# Allegro board arena_12-12_v5.brd (continued)
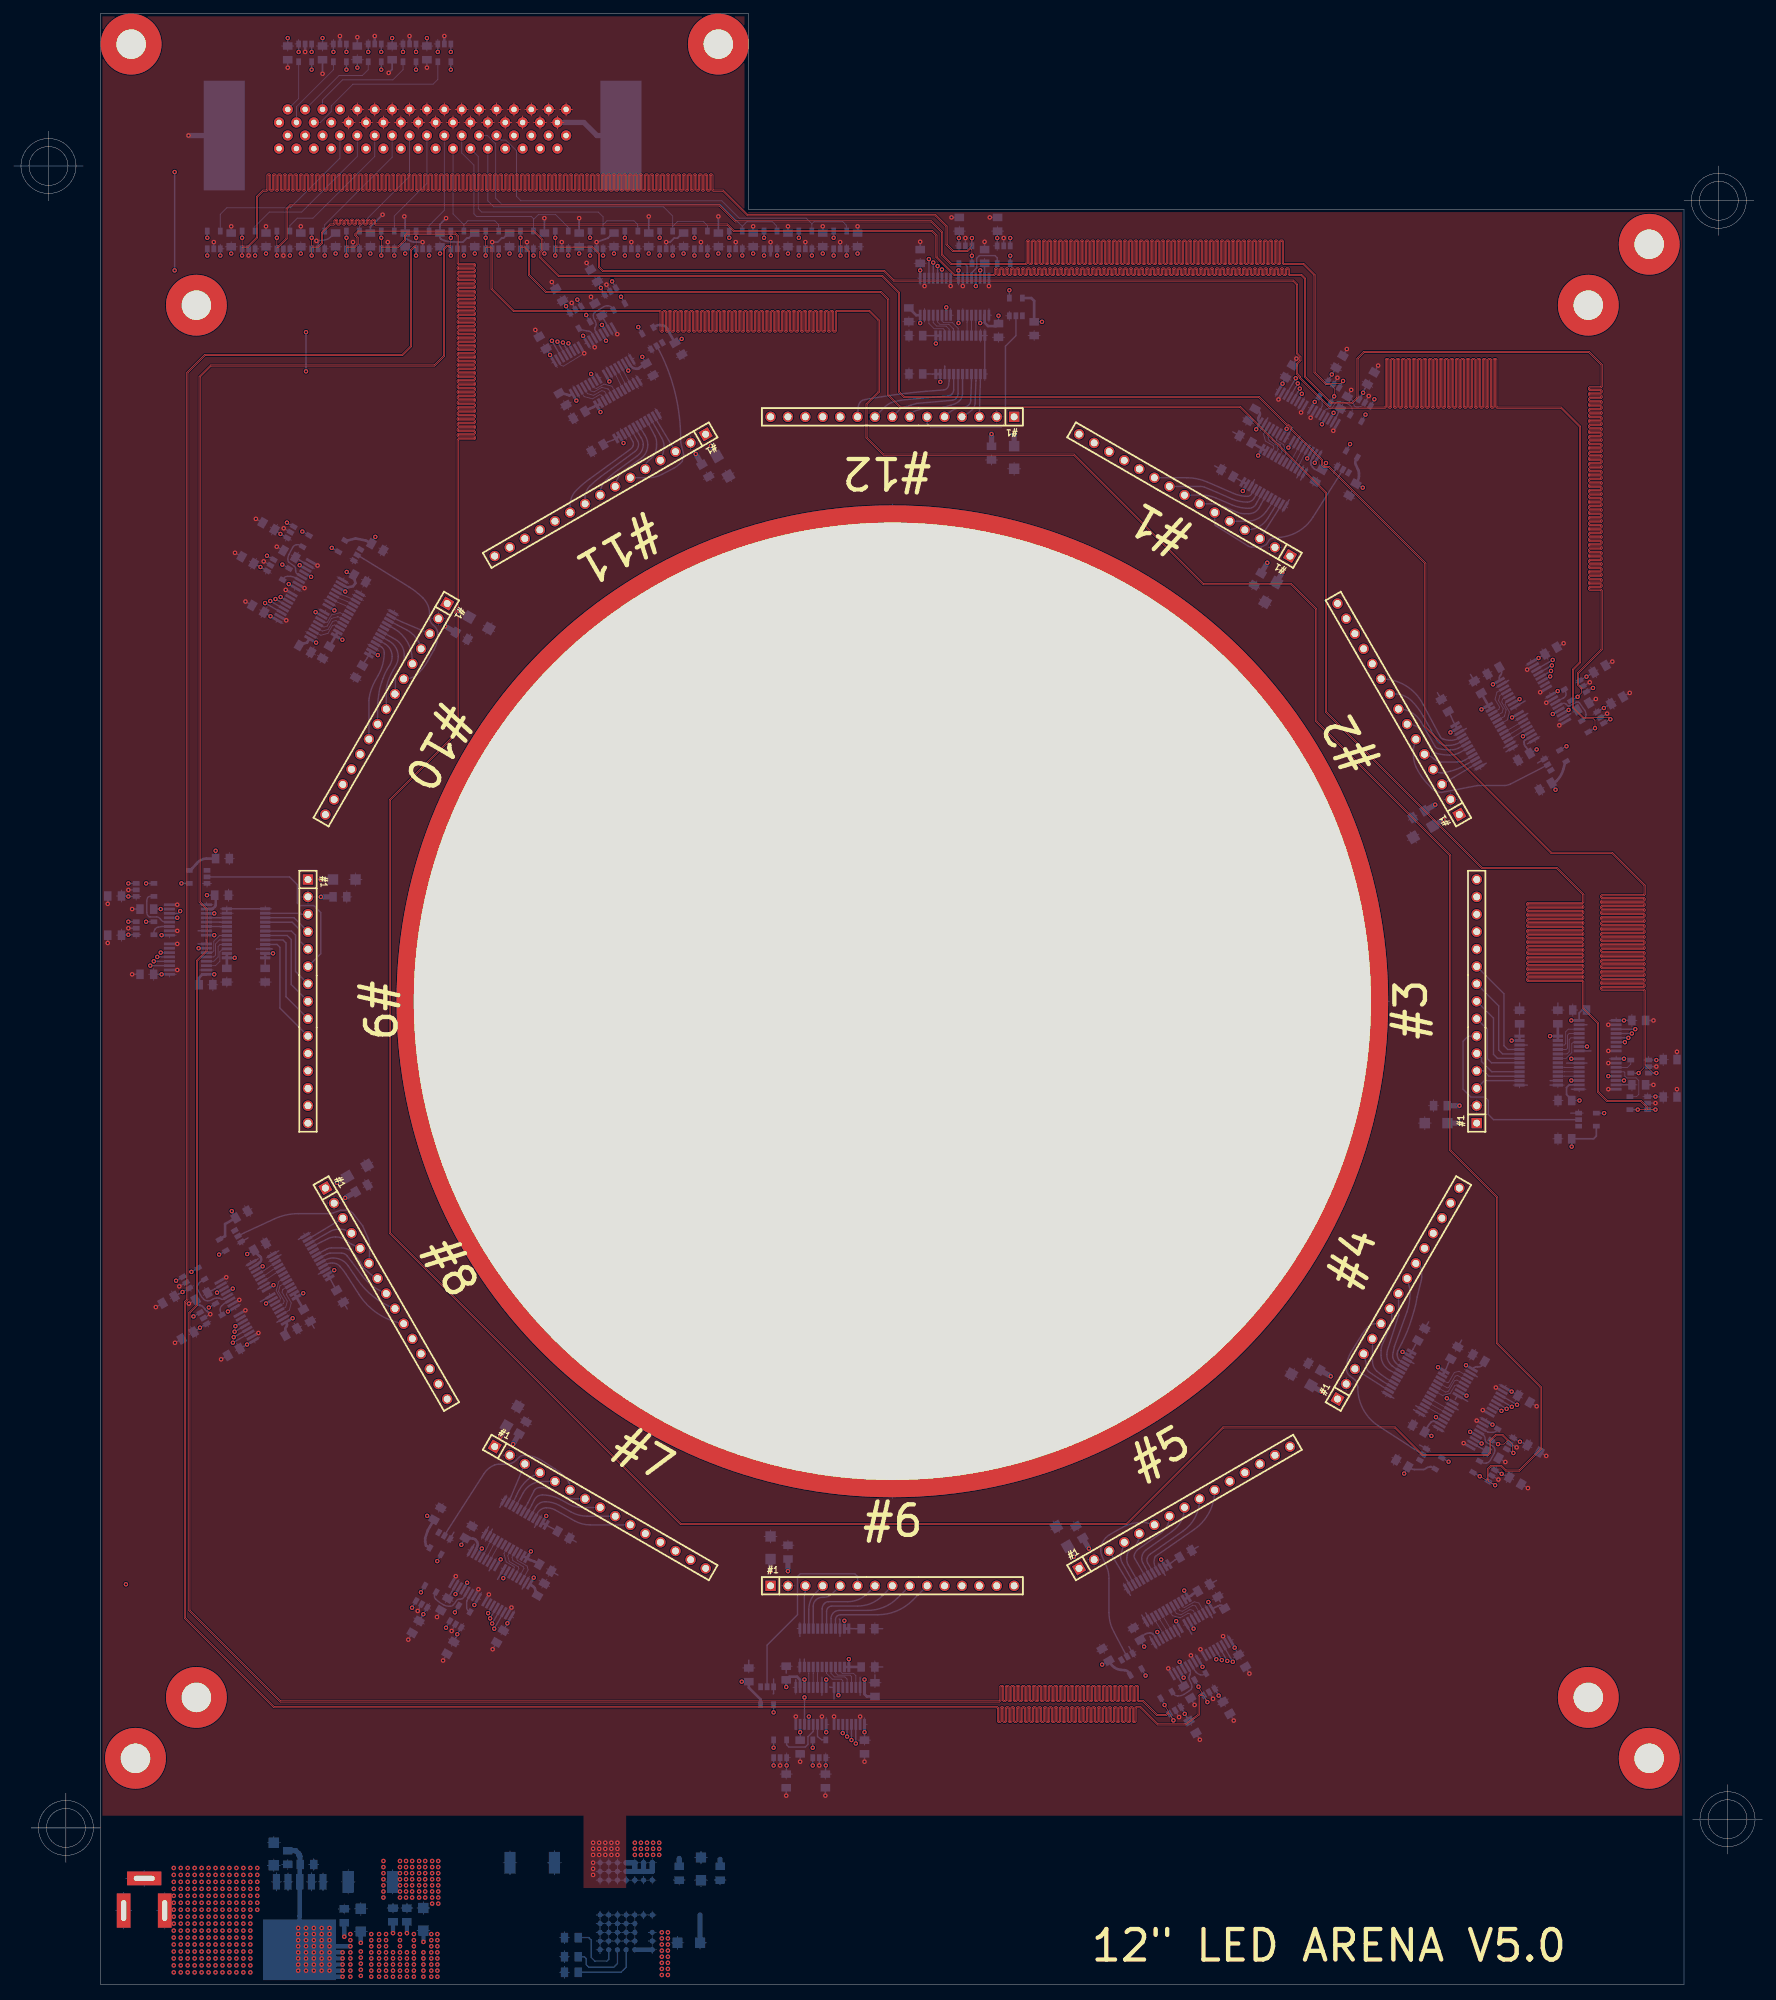
[diagram p0: board, top side]
## Routing (per net, layer and track width the routed paths; a pad name or vN(x,y) marks a point on that pad's centre or on a via; arc(x,y) is an arc through that point) (continued)
M3_P: length 478.7
  PWR w0.089: v1(63.81,279.49) 63.81,279.97 64.52,280.67 66.04,280.67 66.55,281.18 66.55,284.61 65.02,286.13 46.86,286.13 45.85,285.12 45.85,278.64 45.21,278 19.56,278 15.24,273.69 15.24,231.93 15.41,231.76 16.9,231.76 16.97,231.7 16.97,231.61 16.9,231.54 15.41,231.54 15.24,231.38 15.24,231.14 15.41,230.97 16.9,230.97 16.97,230.91 16.97,230.82 16.9,230.76 15.41,230.76 15.24,230.59 15.24,230.35 15.41,230.18 16.9,230.18 16.97,230.12 16.97,230.03 16.9,229.97 15.41,229.97 15.24,229.8 15.24,229.57 15.41,229.4 16.9,229.4 16.97,229.33 16.97,229.25 16.9,229.18 15.41,229.18 15.24,229.01 15.24,228.78 15.41,228.61 16.9,228.61 16.97,228.55 16.97,228.46 16.9,228.39 15.41,228.39 15.24,228.23 15.24,227.99 15.41,227.82 16.9,227.82 16.97,227.76 16.97,227.67 16.9,227.61 15.41,227.61 15.24,227.44 15.24,227.2 15.41,227.04 16.9,227.04 16.97,226.97 16.97,226.88 16.9,226.82 15.41,226.82 15.24,226.65 15.24,226.42 15.41,226.25 16.9,226.25 16.97,226.18 16.97,226.1 16.9,226.03 15.41,226.03 15.24,225.86 15.24,225.63 15.41,225.46 16.9,225.46 16.97,225.4 16.97,225.31 16.9,225.24 15.41,225.24 15.24,225.08 15.24,224.84 15.41,224.67 16.9,224.67 16.97,224.61 16.97,224.52 16.9,224.46 15.41,224.46 15.24,224.29 15.24,224.05 15.41,223.89 16.9,223.89 16.97,223.82 16.97,223.73 16.9,223.67 15.41,223.67 15.24,223.5 15.24,223.27 15.41,223.1 16.9,223.1 16.97,223.03 16.97,222.95 16.9,222.88 15.41,222.88 15.24,222.71 15.24,222.48 15.41,222.31 16.9,222.31 16.97,222.25 16.97,222.16 16.9,222.1 15.41,222.1 15.24,221.93 15.24,221.69 15.41,221.52 16.9,221.52 16.97,221.46 16.97,221.37 16.9,221.31 15.41,221.31 15.24,221.14 15.24,220.9 15.41,220.74 16.9,220.74 16.97,220.67 16.97,220.58 16.9,220.52 15.41,220.52 15.24,220.35 15.24,220.12 15.41,219.95 16.9,219.95 16.97,219.89 16.97,219.8 16.9,219.73 15.41,219.73 15.24,219.57 15.24,219.33 15.41,219.16 16.9,219.16 16.97,219.1 16.97,219.01 16.9,218.95 15.41,218.95 15.24,218.78 15.24,218.54 15.41,218.37 16.9,218.37 16.97,218.31 16.97,218.22 16.9,218.16 15.41,218.16 15.24,217.99 15.24,217.75 15.41,217.59 16.9,217.59 16.97,217.52 16.97,217.43 16.9,217.37 15.41,217.37 15.24,217.2 15.24,216.97 15.41,216.8 16.9,216.8 16.97,216.74 16.97,216.65 16.9,216.58 15.41,216.58 15.24,216.42 15.24,216.18 15.41,216.01 16.9,216.01 16.97,215.95 16.97,215.86 16.9,215.8 15.41,215.8 15.24,215.63 15.24,215.39 15.41,215.22 16.9,215.22 16.97,215.16 16.97,215.07 16.9,215.01 15.41,215.01 15.24,214.84 15.24,214.6 15.41,214.44 16.9,214.44 16.97,214.37 16.97,214.28 16.9,214.22 15.41,214.22 15.24,214.05 15.24,213.82 15.41,213.65 16.9,213.65 16.97,213.59 16.97,213.5 16.9,213.43 15.41,213.43 15.24,213.27 15.24,213.03 15.41,212.86 16.9,212.86 16.97,212.8 16.97,212.71 16.9,212.65 15.41,212.65 15.24,212.48 15.24,212.24 15.41,212.07 16.9,212.07 16.97,212.01 16.97,211.92 16.9,211.86 15.41,211.86 15.24,211.69 15.24,211.45 15.41,211.29 16.9,211.29 16.97,211.22 16.97,211.13 16.9,211.07 15.41,211.07 15.24,210.9 15.24,210.67 15.41,210.5 16.9,210.5 16.97,210.44 16.97,210.35 16.9,210.28 15.41,210.28 15.24,210.12 15.24,209.88 15.41,209.71 16.9,209.71 16.97,209.65 16.97,209.56 16.9,209.5 15.41,209.5 15.24,209.33 15.24,209.09 15.41,208.93 16.9,208.93 16.97,208.86 16.97,208.77 16.9,208.71 15.41,208.71 15.24,208.54 15.24,208.31 15.41,208.14 16.9,208.14 16.97,208.07 16.97,207.99 16.9,207.92 15.41,207.92 15.24,207.75 15.24,207.52 15.41,207.35 16.9,207.35 16.97,207.29 16.97,207.2 16.9,207.13 15.41,207.13 15.24,206.97 15.24,206.73 15.41,206.56 16.9,206.56 16.97,206.5 16.97,206.41 16.9,206.35 15.41,206.35 15.24,206.18 15.24,205.94 15.41,205.78 16.9,205.78 16.97,205.71 16.97,205.62 16.9,205.56 15.41,205.56 15.24,205.39 15.24,205.16 15.41,204.99 16.9,204.99 16.97,204.92 16.97,204.84 16.9,204.77 15.41,204.77 15.24,204.6 15.24,204.37 15.41,204.2 16.9,204.2 16.97,204.14 16.97,204.05 16.9,203.98 15.41,203.98 15.24,203.82 15.24,203.58 15.41,203.41 16.9,203.41 16.97,203.35 16.97,203.26 16.9,203.2 15.41,203.2 15.24,203.03 15.24,202.79 15.41,202.63 16.9,202.63 16.97,202.56 16.97,202.47 16.9,202.41 15.41,202.41 15.24,202.24 15.24,202.01 15.41,201.84 16.9,201.84 16.97,201.78 16.97,201.69 16.9,201.62 15.41,201.62 15.24,201.46 15.24,201.22 15.41,201.05 16.9,201.05 16.97,200.99 16.97,200.9 16.9,200.84 15.41,200.84 15.24,200.67 15.24,200.43 15.41,200.26 16.9,200.26 16.97,200.2 16.97,200.11 16.9,200.05 15.41,200.05 15.24,199.88 15.24,199.64 15.41,199.48 16.9,199.48 16.97,199.41 16.97,199.32 16.9,199.26 15.41,199.26 15.24,199.09 15.24,198.86 15.41,198.69 16.9,198.69 16.97,198.63 16.97,198.54 16.9,198.47 15.41,198.47 15.24,198.31 15.24,198.07 15.41,197.9 16.9,197.9 16.97,197.84 16.97,197.75 16.9,197.69 15.41,197.69 15.24,197.52 15.24,197.28 15.41,197.11 16.9,197.11 16.97,197.05 16.97,196.96 16.9,196.9 15.41,196.9 15.24,196.73 15.24,196.49 15.41,196.33 16.9,196.33 16.97,196.26 16.97,196.17 16.9,196.11 15.41,196.11 15.24,195.94 15.24,195.71 15.41,195.54 16.9,195.54 16.97,195.48 16.97,195.39 16.9,195.32 15.41,195.32 15.24,195.16 15.24,194.92 15.41,194.75 16.9,194.75 16.97,194.69 16.97,194.6 16.9,194.54 15.41,194.54 15.24,194.37 15.24,194.13 15.41,193.96 16.9,193.96 16.97,193.9 16.97,193.81 16.9,193.75 15.41,193.75 15.24,193.58 15.24,193.34 15.41,193.18 16.9,193.18 16.97,193.11 16.97,193.02 16.9,192.96 15.41,192.96 15.24,192.79 15.24,192.56 15.41,192.39 16.9,192.39 16.97,192.33 16.97,192.24 16.9,192.17 15.41,192.17 15.24,192.01 15.24,191.77 15.41,191.6 16.9,191.6 16.97,191.54 16.97,191.45 16.9,191.39 15.41,191.39 15.24,191.22 15.24,190.98 15.41,190.81 16.9,190.81 16.97,190.75 16.97,190.66 16.9,190.6 15.41,190.6 15.24,190.43 15.24,190.2 15.41,190.03 16.9,190.03 16.97,189.96 16.97,189.88 16.9,189.81 15.41,189.81 15.24,189.64 15.24,189.41 15.41,189.24 16.9,189.24 16.97,189.18 16.97,189.09 16.9,189.02 15.41,189.02 15.24,188.86 15.24,188.62 15.41,188.45 16.9,188.45 16.97,188.39 16.97,188.3 16.9,188.24 15.41,188.24 15.24,188.07 15.24,187.83 15.41,187.67 16.9,187.67 16.97,187.6 16.97,187.51 16.9,187.45 15.41,187.45 15.24,187.28 15.24,187.05 15.41,186.88 16.9,186.88 16.97,186.81 16.97,186.73 16.9,186.66 15.41,186.66 15.24,186.49 15.24,186.26 15.41,186.09 16.9,186.09 16.97,186.03 16.97,185.94 16.9,185.87 15.41,185.87 15.24,185.71 15.24,185.47 15.41,185.3 16.9,185.3 16.97,185.24 16.97,185.15 16.9,185.09 15.41,185.09 15.24,184.92 15.24,184.68 15.41,184.52 16.9,184.52 16.97,184.45 16.97,184.36 16.9,184.3 15.41,184.3 15.24,184.13 15.24,183.9 15.41,183.73 16.9,183.73 16.97,183.66 16.97,183.58 16.9,183.51 15.41,183.51 15.24,183.34 15.24,183.11 15.41,182.94 16.9,182.94 16.97,182.88 16.97,182.79 16.9,182.73 15.41,182.73 15.24,182.56 15.24,182.32 15.41,182.15 16.9,182.15 16.97,182.09 16.97,182 16.9,181.94 15.41,181.94 15.24,181.77 15.24,181.53 15.41,181.37 16.9,181.37 16.97,181.3 16.97,181.21 16.9,181.15 15.41,181.15 15.24,180.98 15.24,180.75 15.41,180.58 16.9,180.58 16.97,180.52 16.97,180.43 16.9,180.36 15.41,180.36 15.24,180.2 15.24,179.96 15.41,179.79 16.9,179.79 16.97,179.73 16.97,179.64 16.9,179.58 15.41,179.58 15.24,179.41 15.24,179.17 15.41,179 16.9,179 16.97,178.94 16.97,178.85 16.9,178.79 15.41,178.79 15.24,178.62 15.24,178.38 15.41,178.22 16.9,178.22 16.97,178.15 16.97,178.06 16.9,178 15.41,178 15.24,177.83 15.24,177.6 15.41,177.43 16.9,177.43 16.97,177.37 16.97,177.28 16.9,177.21 15.41,177.21 15.24,177.05 15.24,176.81 15.41,176.64 16.9,176.64 16.97,176.58 16.97,176.49 16.9,176.43 15.41,176.43 15.24,176.26 15.24,176.02 15.41,175.85 16.9,175.85 16.97,175.79 16.97,175.7 16.9,175.64 15.41,175.64 15.24,175.47 15.24,175.23 15.41,175.07 16.9,175.07 16.97,175 16.97,174.91 16.9,174.85 15.41,174.85 15.24,174.68 15.24,174.45 15.41,174.28 16.9,174.28 16.97,174.22 16.97,174.13 16.9,174.06 15.41,174.06 15.24,173.9 15.24,173.66 15.41,173.49 16.9,173.49 16.97,173.43 16.97,173.34 16.9,173.28 15.41,173.28 15.24,173.11 15.24,172.87 15.41,172.7 16.9,172.7 16.97,172.64 16.97,172.55 16.9,172.49 15.41,172.49 15.24,172.32 15.24,172.08 15.41,171.92 16.9,171.92 16.97,171.85 16.97,171.76 16.9,171.7 15.41,171.7 15.24,171.53 15.24,171.3 15.41,171.13 16.9,171.13 16.97,171.07 16.97,170.98 16.9,170.91 15.41,170.91 15.24,170.75 15.24,170.51 15.41,170.34 16.9,170.34 16.97,170.28 16.97,170.19 16.9,170.13 15.41,170.13 15.24,169.96 15.24,169.72 15.41,169.56 16.9,169.56 16.97,169.49 16.97,169.4 16.9,169.34 15.41,169.34 15.24,169.17 15.24,168.94 15.41,168.77 16.9,168.77 16.97,168.7 16.97,168.62 16.9,168.55 15.41,168.55 15.24,168.38 15.24,168.15 15.41,167.98 16.9,167.98 16.97,167.92 16.97,167.83 16.9,167.76 15.41,167.76 15.24,167.6 15.24,167.36 15.41,167.19 16.9,167.19 16.97,167.13 16.97,167.04 16.9,166.98 15.41,166.98 15.24,166.81 15.24,166.57 15.41,166.41 16.9,166.41 16.97,166.34 16.97,166.25 16.9,166.19 15.41,166.19 15.24,166.02 15.24,165.79 15.41,165.62 16.9,165.62 16.97,165.55 16.97,165.47 16.9,165.4 15.41,165.4 15.24,165.23 15.24,165 15.41,164.83 16.9,164.83 16.97,164.77 16.97,164.68 16.9,164.61 15.41,164.61 15.24,164.45 15.24,164.21 15.41,164.04 16.9,164.04 16.97,163.98 16.97,163.89 16.9,163.83 15.41,163.83 15.24,163.66 15.24,163.42 15.41,163.26 16.9,163.26 16.97,163.19 16.97,163.1 16.9,163.04 15.41,163.04 15.24,162.87 15.24,162.64 15.41,162.47 16.9,162.47 16.97,162.41 16.97,162.32 16.9,162.25 15.41,162.25 15.24,162.09 15.24,161.85 15.41,161.68 16.9,161.68 16.97,161.62 16.97,161.53 16.9,161.47 15.41,161.47 15.24,161.3 15.24,158.5 15.88,157.86 17.53,157.86 17.95,157.44 17.95,155.22 17.86,155.13 v1(16.74,155.13)
  BOTTOM w0.203: U81.4 v1(63.81,279.49) ; U82.3 v1(16.74,155.13)
M4_N: length 475.3
  PWR w0.089: v1(58.73,282.08) 58.73,281.37 59.24,280.87 60.76,280.87 61.21,280.42 61.21,277.5 61.98,276.73 82.16,276.73 82.68,276.22 82.68,267.84 81.53,266.7 22.35,266.7 21.72,266.06 21.72,238.76 22.48,238 29.34,238 31.88,235.46 31.88,235.38 31.94,235.32 38.19,235.32 38.35,235.15 38.35,234.92 38.19,234.75 31.94,234.75 31.88,234.69 31.88,234.6 31.94,234.53 38.19,234.53 38.35,234.37 38.35,234.13 38.19,233.96 31.94,233.96 31.88,233.9 31.88,233.81 31.94,233.75 38.19,233.75 38.35,233.58 38.35,233.34 38.19,233.17 31.94,233.17 31.88,233.11 31.88,233.02 31.94,232.96 38.19,232.96 38.35,232.79 38.35,232.55 38.19,232.39 31.94,232.39 31.88,232.32 31.88,232.23 31.94,232.17 38.19,232.17 38.35,232 38.35,231.77 38.19,231.6 31.94,231.6 31.88,231.54 31.88,231.45 31.94,231.38 38.19,231.38 38.35,231.22 38.35,230.98 38.19,230.81 31.94,230.81 31.88,230.75 31.88,230.66 31.94,230.6 38.19,230.6 38.35,230.43 38.35,230.19 38.19,230.02 31.94,230.02 31.88,229.96 31.88,229.87 31.94,229.81 38.19,229.81 38.35,229.64 38.35,229.41 38.19,229.24 31.94,229.24 31.88,229.17 31.88,229.09 31.94,229.02 38.19,229.02 38.35,228.85 38.35,228.62 38.19,228.45 31.94,228.45 31.88,228.39 31.88,228.3 31.94,228.23 38.19,228.23 38.35,228.07 38.35,227.83 38.19,227.66 31.94,227.66 31.88,227.6 31.88,227.51 31.94,227.45 38.19,227.45 38.35,227.28 38.35,227.04 38.19,226.88 31.94,226.88 31.88,226.81 31.88,226.72 31.94,226.66 38.19,226.66 38.35,226.49 38.35,226.26 38.19,226.09 31.94,226.09 31.88,226.02 31.88,225.94 31.94,225.87 38.19,225.87 38.35,225.7 38.35,225.47 38.19,225.3 31.94,225.3 31.88,225.24 31.88,225.15 31.94,225.08 38.19,225.08 38.35,224.92 38.35,224.68 38.19,224.51 31.94,224.51 31.88,224.45 31.88,224.36 31.94,224.3 38.19,224.3 38.35,224.13 38.35,223.89 38.19,223.73 31.94,223.73 31.88,223.66 31.88,223.57 31.94,223.51 38.19,223.51 38.35,223.34 38.35,223.11 38.19,222.94 31.94,222.94 31.88,222.87 31.88,222.79 31.94,222.72 38.19,222.72 38.35,222.55 38.35,222.32 38.19,222.15 31.94,222.15 31.88,222.09 31.88,222 31.94,221.94 38.19,221.94 38.35,221.77 38.35,221.53 38.19,221.36 31.94,221.36 31.88,221.3 31.88,221.21 31.94,221.15 38.19,221.15 38.35,220.98 38.35,220.74 38.19,220.58 31.94,220.58 31.88,220.51 31.88,220.42 31.94,220.36 38.19,220.36 38.35,220.19 38.35,219.96 38.19,219.79 31.94,219.79 31.88,219.73 31.88,219.64 31.94,219.57 38.19,219.57 38.35,219.41 38.35,219.17 38.19,219 31.94,219 31.88,218.94 31.88,218.85 31.94,218.79 38.19,218.79 38.35,218.62 38.35,218.38 38.19,218.21 31.94,218.21 31.88,218.15 31.88,218.06 31.94,218 38.19,218 38.35,217.83 38.35,217.59 38.19,217.43 31.94,217.43 31.88,217.36 31.88,217.27 31.94,217.21 38.19,217.21 38.35,217.04 38.35,216.81 38.19,216.64 31.94,216.64 31.88,216.58 31.88,215.26 39.22,207.93 v1(39.22,207.25)
  BOTTOM w0.203: U83.3 v1(58.73,282.08) ; 40.21,206.68 v1(39.22,207.25)
M4_P: length 474.4
  PWR w0.089: v1(58.73,279.49) 58.73,280.22 59.2,280.69 60.69,280.69 61.04,280.34 61.04,277.42 61.9,276.56 82.09,276.56 82.5,276.15 82.5,267.92 81.46,266.88 22.28,266.88 21.54,266.14 21.54,238.69 22.41,237.82 29.26,237.82 31.7,235.38 31.7,235.31 31.87,235.14 38.11,235.14 38.18,235.08 38.18,234.99 38.11,234.93 31.87,234.93 31.7,234.76 31.7,234.52 31.87,234.36 38.11,234.36 38.18,234.29 38.18,234.2 38.11,234.14 31.87,234.14 31.7,233.97 31.7,233.74 31.87,233.57 38.11,233.57 38.18,233.5 38.18,233.42 38.11,233.35 31.87,233.35 31.7,233.18 31.7,232.95 31.87,232.78 38.11,232.78 38.18,232.72 38.18,232.63 38.11,232.56 31.87,232.56 31.7,232.4 31.7,232.16 31.87,231.99 38.11,231.99 38.18,231.93 38.18,231.84 38.11,231.78 31.87,231.78 31.7,231.61 31.7,231.37 31.87,231.21 38.11,231.21 38.18,231.14 38.18,231.05 38.11,230.99 31.87,230.99 31.7,230.82 31.7,230.59 31.87,230.42 38.11,230.42 38.18,230.36 38.18,230.27 38.11,230.2 31.87,230.2 31.7,230.04 31.7,229.8 31.87,229.63 38.11,229.63 38.18,229.57 38.18,229.48 38.11,229.42 31.87,229.42 31.7,229.25 31.7,229.01 31.87,228.84 38.11,228.84 38.18,228.78 38.18,228.69 38.11,228.63 31.87,228.63 31.7,228.46 31.7,228.22 31.87,228.06 38.11,228.06 38.18,227.99 38.18,227.9 38.11,227.84 31.87,227.84 31.7,227.67 31.7,227.44 31.87,227.27 38.11,227.27 38.18,227.21 38.18,227.12 38.11,227.05 31.87,227.05 31.7,226.89 31.7,226.65 31.87,226.48 38.11,226.48 38.18,226.42 38.18,226.33 38.11,226.27 31.87,226.27 31.7,226.1 31.7,225.86 31.87,225.69 38.11,225.69 38.18,225.63 38.18,225.54 38.11,225.48 31.87,225.48 31.7,225.31 31.7,225.07 31.87,224.91 38.11,224.91 38.18,224.84 38.18,224.75 38.11,224.69 31.87,224.69 31.7,224.52 31.7,224.29 31.87,224.12 38.11,224.12 38.18,224.06 38.18,223.97 38.11,223.9 31.87,223.9 31.7,223.74 31.7,223.5 31.87,223.33 38.11,223.33 38.18,223.27 38.18,223.18 38.11,223.12 31.87,223.12 31.7,222.95 31.7,222.71 31.87,222.54 38.11,222.54 38.18,222.48 38.18,222.39 38.11,222.33 31.87,222.33 31.7,222.16 31.7,221.92 31.87,221.76 38.11,221.76 38.18,221.69 38.18,221.6 38.11,221.54 31.87,221.54 31.7,221.37 31.7,221.14 31.87,220.97 38.11,220.97 38.18,220.91 38.18,220.82 38.11,220.75 31.87,220.75 31.7,220.59 31.7,220.35 31.87,220.18 38.11,220.18 38.18,220.12 38.18,220.03 38.11,219.97 31.87,219.97 31.7,219.8 31.7,219.56 31.87,219.4 38.11,219.4 38.18,219.33 38.18,219.24 38.11,219.18 31.87,219.18 31.7,219.01 31.7,218.78 31.87,218.61 38.11,218.61 38.18,218.54 38.18,218.46 38.11,218.39 31.87,218.39 31.7,218.22 31.7,217.99 31.87,217.82 38.11,217.82 38.18,217.76 38.18,217.67 38.11,217.6 31.87,217.6 31.7,217.44 31.7,217.2 31.87,217.03 38.11,217.03 38.18,216.97 38.18,216.88 38.11,216.82 31.87,216.82 31.7,216.65 31.7,215.19 38.1,208.79 37.85,208.54 v1(36.97,208.54)
  BOTTOM w0.203: 37.96,207.97 v1(36.97,208.54) ; U83.4 v1(58.73,279.49)
M5_N: length 463.8
  PWR w0.089: v1(28.26,252.36) 28.26,253.43 27.69,254 26.92,254 24.89,251.97 23.75,251.97 22.05,253.67 22.05,265.37 22.92,266.24 82.88,266.24 83.36,265.76 83.36,265.36 83.43,265.3 105.62,265.3 105.79,265.13 105.79,264.9 105.62,264.73 83.43,264.73 83.36,264.67 83.36,264.58 83.43,264.51 105.62,264.51 105.79,264.35 105.79,264.11 105.62,263.94 83.43,263.94 83.36,263.88 83.36,263.79 83.43,263.73 105.62,263.73 105.79,263.56 105.79,263.32 105.62,263.15 83.43,263.15 83.36,263.09 83.36,263 83.43,262.94 105.62,262.94 105.79,262.77 105.79,262.53 105.62,262.37 83.43,262.37 83.36,262.3 83.36,262.21 83.43,262.15 105.62,262.15 105.79,261.98 105.79,261.75 105.62,261.58 83.43,261.58 83.36,261.52 83.36,261.43 83.43,261.36 105.62,261.36 105.79,261.2 105.79,260.96 105.62,260.79 83.43,260.79 83.36,260.73 83.36,260.64 83.43,260.58 105.62,260.58 105.79,260.41 105.79,260.17 105.62,260 83.43,260 83.36,259.94 83.36,259.85 83.43,259.79 105.62,259.79 105.79,259.62 105.79,259.38 105.62,259.22 83.43,259.22 83.36,259.15 83.36,251.72 83.02,251.38 83.02,244.67 83.01,244.64 v1(83.58,243.67)
  BOTTOM w0.203: 84.15,242.68 v1(83.58,243.67) ; U85.3 v1(28.26,252.36)
M5_P: length 460.4
  PWR w0.089: v1(28.26,254.95) 28.26,254.75 27.69,254.18 26.85,254.18 24.82,252.15 23.82,252.15 22.23,253.74 22.23,265.3 22.99,266.06 82.81,266.06 83.19,265.69 83.19,265.29 83.35,265.12 105.55,265.12 105.61,265.06 105.61,264.97 105.55,264.91 83.35,264.91 83.19,264.74 83.19,264.5 83.35,264.34 105.55,264.34 105.61,264.27 105.61,264.18 105.55,264.12 83.35,264.12 83.19,263.95 83.19,263.72 83.35,263.55 105.55,263.55 105.61,263.48 105.61,263.4 105.55,263.33 83.35,263.33 83.19,263.16 83.19,262.93 83.35,262.76 105.55,262.76 105.61,262.7 105.61,262.61 105.55,262.54 83.35,262.54 83.19,262.38 83.19,262.14 83.35,261.97 105.55,261.97 105.61,261.91 105.61,261.82 105.55,261.76 83.35,261.76 83.19,261.59 83.19,261.35 83.35,261.19 105.55,261.19 105.61,261.12 105.61,261.03 105.55,260.97 83.35,260.97 83.19,260.8 83.19,260.57 83.35,260.4 105.55,260.4 105.61,260.33 105.61,260.25 105.55,260.18 83.35,260.18 83.19,260.01 83.19,259.78 83.35,259.61 105.55,259.61 105.61,259.55 105.61,259.46 105.55,259.39 83.35,259.39 83.19,259.23 83.19,251.8 82.84,251.45 82.84,245.92 82.54,245.75 82.35,245.8 v1(82.28,245.92)
  BOTTOM w0.203: 82.85,244.93 v1(82.28,245.92) ; U85.4 v1(28.26,254.95)
M6_N: length 492.7
  TOP w0.089: v1(33.34,252.36) 33.34,253.48 33.43,253.57 34.23,253.57 35.61,254.94 35.61,260.91 36.45,261.75 36.97,261.75 37.13,261.91 37.13,264.05 37.2,264.11 37.29,264.11 37.35,264.05 37.35,261.91 37.52,261.75 37.75,261.75 37.92,261.91 37.92,264.05 37.99,264.11 38.07,264.11 38.14,264.05 38.14,261.91 38.31,261.75 38.54,261.75 38.71,261.91 38.71,264.05 38.77,264.11 38.86,264.11 38.93,264.05 38.93,261.91 39.09,261.75 39.33,261.75 39.5,261.91 39.5,264.05 39.56,264.11 39.65,264.11 39.71,264.05 39.71,261.91 39.88,261.75 40.12,261.75 40.28,261.91 40.28,264.05 40.35,264.11 40.44,264.11 40.5,264.05 40.5,261.91 40.67,261.75 40.9,261.75 41.07,261.91 41.07,264.05 41.14,264.11 41.22,264.11 41.29,264.05 41.29,261.91 41.46,261.75 41.69,261.75 41.86,261.91 41.86,264.05 41.92,264.11 42.01,264.11 42.08,264.05 42.08,261.91 42.24,261.75 42.48,261.75 42.65,261.91 42.65,264.05 42.71,264.11 42.8,264.11 42.86,264.05 42.86,261.91 43.03,261.75 43.27,261.75 43.43,261.91 43.43,264.05 43.5,264.11 43.59,264.11 43.65,264.05 43.65,261.91 43.82,261.75 44.05,261.75 44.22,261.91 44.22,264.05 44.28,264.11 44.37,264.11 44.44,264.05 44.44,261.91 44.6,261.75 44.84,261.75 45.01,261.91 45.01,264.05 45.07,264.11 45.16,264.11 45.22,264.05 45.22,261.91 45.39,261.75 45.63,261.75 45.8,261.91 45.8,264.05 45.86,264.11 45.95,264.11 46.01,264.05 46.01,261.91 46.18,261.75 46.42,261.75 46.58,261.91 46.58,264.05 46.65,264.11 46.74,264.11 46.8,264.05 46.8,261.91 46.97,261.75 47.2,261.75 47.37,261.91 47.37,264.05 47.43,264.11 47.52,264.11 47.59,264.05 47.59,261.91 47.75,261.75 47.99,261.75 48.16,261.91 48.16,264.05 48.22,264.11 48.31,264.11 48.37,264.05 48.37,261.91 48.54,261.75 48.78,261.75 48.95,261.91 48.95,264.05 49.01,264.11 49.1,264.11 49.16,264.05 49.16,261.91 49.33,261.75 49.57,261.75 49.73,261.91 49.73,264.05 49.8,264.11 49.89,264.11 49.95,264.05 49.95,261.91 50.12,261.75 50.35,261.75 50.52,261.91 50.52,264.05 50.58,264.11 50.67,264.11 50.74,264.05 50.74,261.91 50.9,261.75 51.14,261.75 51.31,261.91 51.31,264.05 51.37,264.11 51.46,264.11 51.52,264.05 51.52,261.91 51.69,261.75 51.93,261.75 52.1,261.91 52.1,264.05 52.16,264.11 52.25,264.11 52.31,264.05 52.31,261.91 52.48,261.75 52.72,261.75 52.88,261.91 52.88,264.05 52.95,264.11 53.04,264.11 53.1,264.05 53.1,261.91 53.27,261.75 53.5,261.75 53.67,261.91 53.67,264.05 53.73,264.11 53.82,264.11 53.89,264.05 53.89,261.91 54.05,261.75 54.29,261.75 54.46,261.91 54.46,264.05 54.52,264.11 54.61,264.11 54.67,264.05 54.67,261.91 54.84,261.75 55.08,261.75 55.25,261.91 55.25,264.05 55.31,264.11 55.4,264.11 55.46,264.05 55.46,261.91 55.63,261.75 55.86,261.75 56.03,261.91 56.03,264.05 56.1,264.11 56.18,264.11 56.25,264.05 56.25,261.91 56.42,261.75 56.65,261.75 56.82,261.91 56.82,264.05 56.88,264.11 56.97,264.11 57.04,264.05 57.04,261.91 57.2,261.75 57.44,261.75 57.61,261.91 57.61,264.05 57.67,264.11 57.76,264.11 57.82,264.05 57.82,261.91 57.99,261.75 58.23,261.75 58.39,261.91 58.39,264.05 58.46,264.11 58.55,264.11 58.61,264.05 58.61,261.91 58.78,261.75 59.01,261.75 59.18,261.91 59.18,264.05 59.25,264.11 59.33,264.11 59.4,264.05 59.4,261.91 59.57,261.75 59.8,261.75 59.97,261.91 59.97,264.05 60.03,264.11 60.12,264.11 60.19,264.05 60.19,261.91 60.35,261.75 60.59,261.75 60.76,261.91 60.76,264.05 60.82,264.11 60.91,264.11 60.97,264.05 60.97,261.91 61.14,261.75 61.38,261.75 61.54,261.91 61.54,264.05 61.61,264.11 61.7,264.11 61.76,264.05 61.76,261.91 61.93,261.75 62.16,261.75 62.33,261.91 62.33,264.05 62.4,264.11 62.48,264.11 62.55,264.05 62.55,261.91 62.72,261.75 62.95,261.75 63.12,261.91 63.12,264.05 63.18,264.11 63.27,264.11 63.33,264.05 63.33,261.91 63.5,261.75 63.74,261.75 63.91,261.91 63.91,264.05 63.97,264.11 64.06,264.11 64.12,264.05 64.12,261.91 64.29,261.75 64.53,261.75 64.69,261.91 64.69,264.05 64.76,264.11 64.85,264.11 64.91,264.05 64.91,261.91 65.08,261.75 65.31,261.75 65.48,261.91 65.48,264.05 65.54,264.11 65.63,264.11 65.7,264.05 65.7,261.91 65.86,261.75 66.1,261.75 66.27,261.91 66.27,264.05 66.33,264.11 66.42,264.11 66.48,264.05 66.48,261.91 66.65,261.75 66.89,261.75 67.06,261.91 67.06,264.05 67.12,264.11 67.21,264.11 67.27,264.05 67.27,261.91 67.44,261.75 67.68,261.75 67.84,261.91 67.84,264.05 67.91,264.11 68,264.11 68.06,264.05 68.06,261.91 68.23,261.75 68.46,261.75 68.63,261.91 68.63,264.05 68.69,264.11 68.78,264.11 68.85,264.05 68.85,261.91 69.01,261.75 69.25,261.75 69.42,261.91 69.42,264.05 69.48,264.11 69.57,264.11 69.63,264.05 69.63,261.91 69.8,261.75 70.04,261.75 70.21,261.91 70.21,264.05 70.27,264.11 70.36,264.11 70.42,264.05 70.42,261.91 70.59,261.75 70.83,261.75 70.99,261.91 70.99,264.05 71.06,264.11 71.15,264.11 71.21,264.05 71.21,261.91 71.38,261.75 71.61,261.75 71.78,261.91 71.78,264.05 71.84,264.11 71.93,264.11 72,264.05 72,261.91 72.16,261.75 72.4,261.75 72.57,261.91 72.57,264.05 72.63,264.11 72.72,264.11 72.78,264.05 72.78,261.91 72.95,261.75 73.19,261.75 73.36,261.91 73.36,264.05 73.42,264.11 73.51,264.11 73.57,264.05 73.57,261.91 73.74,261.75 73.97,261.75 74.14,261.91 74.14,264.05 74.21,264.11 74.3,264.11 74.36,264.05 74.36,261.91 74.53,261.75 74.76,261.75 74.93,261.91 74.93,264.05 74.99,264.11 75.08,264.11 75.15,264.05 75.15,261.91 75.31,261.75 75.55,261.75 75.72,261.91 75.72,264.05 75.78,264.11 75.87,264.11 75.93,264.05 75.93,261.91 76.1,261.75 76.34,261.75 76.5,261.91 76.5,264.05 76.57,264.11 76.66,264.11 76.72,264.05 76.72,261.91 76.89,261.75 77.12,261.75 77.29,261.91 77.29,264.05 77.36,264.11 77.44,264.11 77.51,264.05 77.51,261.91 77.68,261.75 77.91,261.75 78.08,261.91 78.08,264.05 78.14,264.11 78.23,264.11 78.3,264.05 78.3,261.91 78.46,261.75 78.7,261.75 78.87,261.91 78.87,264.05 78.93,264.11 79.02,264.11 79.08,264.05 79.08,261.91 79.25,261.75 79.49,261.75 79.65,261.91 79.65,264.05 79.72,264.11 79.81,264.11 79.87,264.05 79.87,261.91 80.04,261.75 80.27,261.75 80.44,261.91 80.44,264.05 80.51,264.11 80.59,264.11 80.66,264.05 80.66,261.91 80.83,261.75 81.06,261.75 81.23,261.91 81.23,264.05 81.29,264.11 81.38,264.11 81.45,264.05 81.45,261.91 81.61,261.75 81.85,261.75 82.02,261.91 82.02,264.05 82.08,264.11 82.17,264.11 82.23,264.05 82.23,261.91 82.4,261.75 82.64,261.75 82.8,261.91 82.8,264.05 82.87,264.11 82.96,264.11 83.02,264.05 83.02,261.91 83.19,261.75 83.42,261.75 83.59,261.91 83.59,264.05 83.65,264.11 83.74,264.11 83.81,264.05 83.81,261.91 83.97,261.75 84.21,261.75 84.38,261.91 84.38,264.05 84.44,264.11 84.53,264.11 84.59,264.05 84.59,261.91 84.76,261.75 85,261.75 85.17,261.91 85.17,264.05 85.23,264.11 85.32,264.11 85.38,264.05 85.38,261.91 85.55,261.75 85.79,261.75 85.95,261.91 85.95,264.05 86.02,264.11 86.11,264.11 86.17,264.05 86.17,261.91 86.34,261.75 86.57,261.75 86.74,261.91 86.74,264.05 86.8,264.11 86.89,264.11 86.96,264.05 86.96,261.91 87.12,261.75 87.36,261.75 87.53,261.91 87.53,264.05 87.59,264.11 87.68,264.11 87.74,264.05 87.74,261.91 87.91,261.75 88.15,261.75 88.32,261.91 88.32,264.05 88.38,264.11 88.47,264.11 88.53,264.05 88.53,261.91 88.7,261.75 88.94,261.75 89.1,261.91 89.1,264.05 89.17,264.11 89.26,264.11 89.32,264.05 89.32,261.91 89.49,261.75 89.72,261.75 89.89,261.91 89.89,264.05 89.95,264.11 90.04,264.11 90.11,264.05 90.11,261.91 90.27,261.75 90.51,261.75 90.68,261.91 90.68,264.05 90.74,264.11 90.83,264.11 90.89,264.05 90.89,261.91 91.06,261.75 91.3,261.75 91.47,261.91 91.47,264.05 91.53,264.11 91.62,264.11 91.68,264.05 91.68,261.91 91.85,261.75 92.09,261.75 92.25,261.91 92.25,264.05 92.32,264.11 92.41,264.11 92.47,264.05 92.47,261.91 92.64,261.75 92.87,261.75 93.04,261.91 93.04,264.05 93.1,264.11 93.19,264.11 93.26,264.05 93.26,261.91 93.42,261.75 93.66,261.75 93.83,261.91 93.83,264.05 93.89,264.11 93.98,264.11 94.04,264.05 94.04,261.91 94.21,261.75 94.45,261.75 94.62,261.91 94.62,264.05 94.68,264.11 94.77,264.11 94.83,264.05 94.83,261.91 95,261.75 95.23,261.75 95.4,261.91 95.4,264.05 95.47,264.11 95.55,264.11 95.62,264.05 95.62,261.91 95.79,261.75 96.02,261.75 96.19,261.91 96.19,264.05 96.25,264.11 96.34,264.11 96.41,264.05 96.41,261.91 96.57,261.75 96.81,261.75 96.98,261.91 96.98,264.05 97.04,264.11 97.13,264.11 97.19,264.05 97.19,261.91 97.36,261.75 97.6,261.75 97.76,261.91 97.76,264.05 97.83,264.11 97.92,264.11 97.98,264.05 97.98,261.91 98.15,261.75 98.38,261.75 98.55,261.91 98.55,264.05 98.62,264.11 98.7,264.11 98.77,264.05 98.77,261.91 98.94,261.75 99.17,261.75 99.34,261.91 99.34,264.05 99.4,264.11 99.49,264.11 99.56,264.05 99.56,261.91 99.72,261.75 99.96,261.75 100.13,261.91 100.13,264.05 100.19,264.11 100.28,264.11 100.34,264.05 100.34,261.91 100.51,261.75 100.75,261.75 100.91,261.91 100.91,264.05 100.98,264.11 101.07,264.11 101.13,264.05 101.13,261.91 101.3,261.75 101.53,261.75 101.7,261.91 101.7,264.05 101.77,264.11 101.85,264.11 101.92,264.05 101.92,261.91 102.09,261.75 103.51,261.75 107.11,258.14 134.55,258.14 136.09,256.59 136.09,253.93 137.09,252.93 139.27,252.93 139.7,253.37 139.89,253.17 v1(139.89,252.32)
  BOTTOM w0.203: U88.4 v1(139.89,252.32) ; U87.3 v1(33.34,252.36)
M6_P: length 493
  TOP w0.089: v1(33.34,254.95) 33.34,253.83 33.43,253.74 34.16,253.74 35.43,255.02 35.43,260.98 36.38,261.92 36.89,261.92 36.96,261.99 36.96,264.12 37.12,264.29 37.36,264.29 37.53,264.12 37.53,261.99 37.59,261.92 37.68,261.92 37.74,261.99 37.74,264.12 37.91,264.29 38.15,264.29 38.32,264.12 38.32,261.99 38.38,261.92 38.47,261.92 38.53,261.99 38.53,264.12 38.7,264.29 38.94,264.29 39.1,264.12 39.1,261.99 39.17,261.92 39.26,261.92 39.32,261.99 39.32,264.12 39.49,264.29 39.72,264.29 39.89,264.12 39.89,261.99 39.95,261.92 40.04,261.92 40.11,261.99 40.11,264.12 40.27,264.29 40.51,264.29 40.68,264.12 40.68,261.99 40.74,261.92 40.83,261.92 40.89,261.99 40.89,264.12 41.06,264.29 41.3,264.29 41.47,264.12 41.47,261.99 41.53,261.92 41.62,261.92 41.68,261.99 41.68,264.12 41.85,264.29 42.09,264.29 42.25,264.12 42.25,261.99 42.32,261.92 42.41,261.92 42.47,261.99 42.47,264.12 42.64,264.29 42.87,264.29 43.04,264.12 43.04,261.99 43.1,261.92 43.19,261.92 43.26,261.99 43.26,264.12 43.42,264.29 43.66,264.29 43.83,264.12 43.83,261.99 43.89,261.92 43.98,261.92 44.04,261.99 44.04,264.12 44.21,264.29 44.45,264.29 44.62,264.12 44.62,261.99 44.68,261.92 44.77,261.92 44.83,261.99 44.83,264.12 45,264.29 45.23,264.29 45.4,264.12 45.4,261.99 45.47,261.92 45.55,261.92 45.62,261.99 45.62,264.12 45.79,264.29 46.02,264.29 46.19,264.12 46.19,261.99 46.25,261.92 46.34,261.92 46.41,261.99 46.41,264.12 46.57,264.29 46.81,264.29 46.98,264.12 46.98,261.99 47.04,261.92 47.13,261.92 47.19,261.99 47.19,264.12 47.36,264.29 47.6,264.29 47.76,264.12 47.76,261.99 47.83,261.92 47.92,261.92 47.98,261.99 47.98,264.12 48.15,264.29 48.38,264.29 48.55,264.12 48.55,261.99 48.62,261.92 48.7,261.92 48.77,261.99 48.77,264.12 48.94,264.29 49.17,264.29 49.34,264.12 49.34,261.99 49.4,261.92 49.49,261.92 49.56,261.99 49.56,264.12 49.72,264.29 49.96,264.29 50.13,264.12 50.13,261.99 50.19,261.92 50.28,261.92 50.34,261.99 50.34,264.12 50.51,264.29 50.75,264.29 50.91,264.12 50.91,261.99 50.98,261.92 51.07,261.92 51.13,261.99 51.13,264.12 51.3,264.29 51.53,264.29 51.7,264.12 51.7,261.99 51.77,261.92 51.85,261.92 51.92,261.99 51.92,264.12 52.09,264.29 52.32,264.29 52.49,264.12 52.49,261.99 52.55,261.92 52.64,261.92 52.71,261.99 52.71,264.12 52.87,264.29 53.11,264.29 53.28,264.12 53.28,261.99 53.34,261.92 53.43,261.92 53.49,261.99 53.49,264.12 53.66,264.29 53.9,264.29 54.06,264.12 54.06,261.99 54.13,261.92 54.22,261.92 54.28,261.99 54.28,264.12 54.45,264.29 54.68,264.29 54.85,264.12 54.85,261.99 54.91,261.92 55,261.92 55.07,261.99 55.07,264.12 55.23,264.29 55.47,264.29 55.64,264.12 55.64,261.99 55.7,261.92 55.79,261.92 55.85,261.99 55.85,264.12 56.02,264.29 56.26,264.29 56.43,264.12 56.43,261.99 56.49,261.92 56.58,261.92 56.64,261.99 56.64,264.12 56.81,264.29 57.05,264.29 57.21,264.12 57.21,261.99 57.28,261.92 57.37,261.92 57.43,261.99 57.43,264.12 57.6,264.29 57.83,264.29 58,264.12 58,261.99 58.06,261.92 58.15,261.92 58.22,261.99 58.22,264.12 58.38,264.29 58.62,264.29 58.79,264.12 58.79,261.99 58.85,261.92 58.94,261.92 59,261.99 59,264.12 59.17,264.29 59.41,264.29 59.58,264.12 59.58,261.99 59.64,261.92 59.73,261.92 59.79,261.99 59.79,264.12 59.96,264.29 60.2,264.29 60.36,264.12 60.36,261.99 60.43,261.92 60.52,261.92 60.58,261.99 60.58,264.12 60.75,264.29 60.98,264.29 61.15,264.12 61.15,261.99 61.21,261.92 61.3,261.92 61.37,261.99 61.37,264.12 61.53,264.29 61.77,264.29 61.94,264.12 61.94,261.99 62,261.92 62.09,261.92 62.15,261.99 62.15,264.12 62.32,264.29 62.56,264.29 62.73,264.12 62.73,261.99 62.79,261.92 62.88,261.92 62.94,261.99 62.94,264.12 63.11,264.29 63.35,264.29 63.51,264.12 63.51,261.99 63.58,261.92 63.67,261.92 63.73,261.99 63.73,264.12 63.9,264.29 64.13,264.29 64.3,264.12 64.3,261.99 64.36,261.92 64.45,261.92 64.52,261.99 64.52,264.12 64.68,264.29 64.92,264.29 65.09,264.12 65.09,261.99 65.15,261.92 65.24,261.92 65.3,261.99 65.3,264.12 65.47,264.29 65.71,264.29 65.87,264.12 65.87,261.99 65.94,261.92 66.03,261.92 66.09,261.99 66.09,264.12 66.26,264.29 66.49,264.29 66.66,264.12 66.66,261.99 66.73,261.92 66.81,261.92 66.88,261.99 66.88,264.12 67.05,264.29 67.28,264.29 67.45,264.12 67.45,261.99 67.51,261.92 67.6,261.92 67.67,261.99 67.67,264.12 67.83,264.29 68.07,264.29 68.24,264.12 68.24,261.99 68.3,261.92 68.39,261.92 68.45,261.99 68.45,264.12 68.62,264.29 68.86,264.29 69.02,264.12 69.02,261.99 69.09,261.92 69.18,261.92 69.24,261.99 69.24,264.12 69.41,264.29 69.64,264.29 69.81,264.12 69.81,261.99 69.88,261.92 69.96,261.92 70.03,261.99 70.03,264.12 70.2,264.29 70.43,264.29 70.6,264.12 70.6,261.99 70.66,261.92 70.75,261.92 70.82,261.99 70.82,264.12 70.98,264.29 71.22,264.29 71.39,264.12 71.39,261.99 71.45,261.92 71.54,261.92 71.6,261.99 71.6,264.12 71.77,264.29 72.01,264.29 72.17,264.12 72.17,261.99 72.24,261.92 72.33,261.92 72.39,261.99 72.39,264.12 72.56,264.29 72.79,264.29 72.96,264.12 72.96,261.99 73.03,261.92 73.11,261.92 73.18,261.99 73.18,264.12 73.35,264.29 73.58,264.29 73.75,264.12 73.75,261.99 73.81,261.92 73.9,261.92 73.96,261.99 73.96,264.12 74.13,264.29 74.37,264.29 74.54,264.12 74.54,261.99 74.6,261.92 74.69,261.92 74.75,261.99 74.75,264.12 74.92,264.29 75.16,264.29 75.32,264.12 75.32,261.99 75.39,261.92 75.48,261.92 75.54,261.99 75.54,264.12 75.71,264.29 75.94,264.29 76.11,264.12 76.11,261.99 76.17,261.92 76.26,261.92 76.33,261.99 76.33,264.12 76.49,264.29 76.73,264.29 76.9,264.12 76.9,261.99 76.96,261.92 77.05,261.92 77.11,261.99 77.11,264.12 77.28,264.29 77.52,264.29 77.69,264.12 77.69,261.99 77.75,261.92 77.84,261.92 77.9,261.99 77.9,264.12 78.07,264.29 78.31,264.29 78.47,264.12 78.47,261.99 78.54,261.92 78.63,261.92 78.69,261.99 78.69,264.12 78.86,264.29 79.09,264.29 79.26,264.12 79.26,261.99 79.32,261.92 79.41,261.92 79.48,261.99 79.48,264.12 79.64,264.29 79.88,264.29 80.05,264.12 80.05,261.99 80.11,261.92 80.2,261.92 80.26,261.99 80.26,264.12 80.43,264.29 80.67,264.29 80.84,264.12 80.84,261.99 80.9,261.92 80.99,261.92 81.05,261.99 81.05,264.12 81.22,264.29 81.46,264.29 81.62,264.12 81.62,261.99 81.69,261.92 81.78,261.92 81.84,261.99 81.84,264.12 82.01,264.29 82.24,264.29 82.41,264.12 82.41,261.99 82.47,261.92 82.56,261.92 82.63,261.99 82.63,264.12 82.79,264.29 83.03,264.29 83.2,264.12 83.2,261.99 83.26,261.92 83.35,261.92 83.41,261.99 83.41,264.12 83.58,264.29 83.82,264.29 83.99,264.12 83.99,261.99 84.05,261.92 84.14,261.92 84.2,261.99 84.2,264.12 84.37,264.29 84.6,264.29 84.77,264.12 84.77,261.99 84.84,261.92 84.92,261.92 84.99,261.99 84.99,264.12 85.16,264.29 85.39,264.29 85.56,264.12 85.56,261.99 85.62,261.92 85.71,261.92 85.78,261.99 85.78,264.12 85.94,264.29 86.18,264.29 86.35,264.12 86.35,261.99 86.41,261.92 86.5,261.92 86.56,261.99 86.56,264.12 86.73,264.29 86.97,264.29 87.13,264.12 87.13,261.99 87.2,261.92 87.29,261.92 87.35,261.99 87.35,264.12 87.52,264.29 87.75,264.29 87.92,264.12 87.92,261.99 87.99,261.92 88.07,261.92 88.14,261.99 88.14,264.12 88.31,264.29 88.54,264.29 88.71,264.12 88.71,261.99 88.77,261.92 88.86,261.92 88.93,261.99 88.93,264.12 89.09,264.29 89.33,264.29 89.5,264.12 89.5,261.99 89.56,261.92 89.65,261.92 89.71,261.99 89.71,264.12 89.88,264.29 90.12,264.29 90.28,264.12 90.28,261.99 90.35,261.92 90.44,261.92 90.5,261.99 90.5,264.12 90.67,264.29 90.9,264.29 91.07,264.12 91.07,261.99 91.14,261.92 91.22,261.92 91.29,261.99 91.29,264.12 91.46,264.29 91.69,264.29 91.86,264.12 91.86,261.99 91.92,261.92 92.01,261.92 92.08,261.99 92.08,264.12 92.24,264.29 92.48,264.29 92.65,264.12 92.65,261.99 92.71,261.92 92.8,261.92 92.86,261.99 92.86,264.12 93.03,264.29 93.27,264.29 93.43,264.12 93.43,261.99 93.5,261.92 93.59,261.92 93.65,261.99 93.65,264.12 93.82,264.29 94.05,264.29 94.22,264.12 94.22,261.99 94.28,261.92 94.37,261.92 94.44,261.99 94.44,264.12 94.6,264.29 94.84,264.29 95.01,264.12 95.01,261.99 95.07,261.92 95.16,261.92 95.22,261.99 95.22,264.12 95.39,264.29 95.63,264.29 95.8,264.12 95.8,261.99 95.86,261.92 95.95,261.92 96.01,261.99 96.01,264.12 96.18,264.29 96.42,264.29 96.58,264.12 96.58,261.99 96.65,261.92 96.74,261.92 96.8,261.99 96.8,264.12 96.97,264.29 97.2,264.29 97.37,264.12 97.37,261.99 97.43,261.92 97.52,261.92 97.59,261.99 97.59,264.12 97.75,264.29 97.99,264.29 98.16,264.12 98.16,261.99 98.22,261.92 98.31,261.92 98.37,261.99 98.37,264.12 98.54,264.29 98.78,264.29 98.95,264.12 98.95,261.99 99.01,261.92 99.1,261.92 99.16,261.99 99.16,264.12 99.33,264.29 99.57,264.29 99.73,264.12 99.73,261.99 99.8,261.92 99.89,261.92 99.95,261.99 99.95,264.12 100.12,264.29 100.35,264.29 100.52,264.12 100.52,261.99 100.58,261.92 100.67,261.92 100.74,261.99 100.74,264.12 100.9,264.29 101.14,264.29 101.31,264.12 101.31,261.99 101.37,261.92 101.46,261.92 101.52,261.99 101.52,264.12 101.69,264.29 101.93,264.29 102.1,264.12 102.1,261.99 102.16,261.92 103.58,261.92 107.19,258.32 134.62,258.32 136.27,256.67 136.27,254 137.16,253.11 139.19,253.11 139.89,253.81 v1(139.89,254.91)